# Altium PCB Tiny817_Xplained_Pro.PcbDoc (part 3 of 3)
Units mm, origin at the board's own origin, x right, y up, seen from the top; angles counter-clockwise.
Board outline 60 x 60 mm, 4 copper layers (Top Layer LF-signals, GND, POWER, Bottom Layer LF-signals), stack 1.604 mm thick; 172 components, 131 nets, 687 pads, 210 vias.
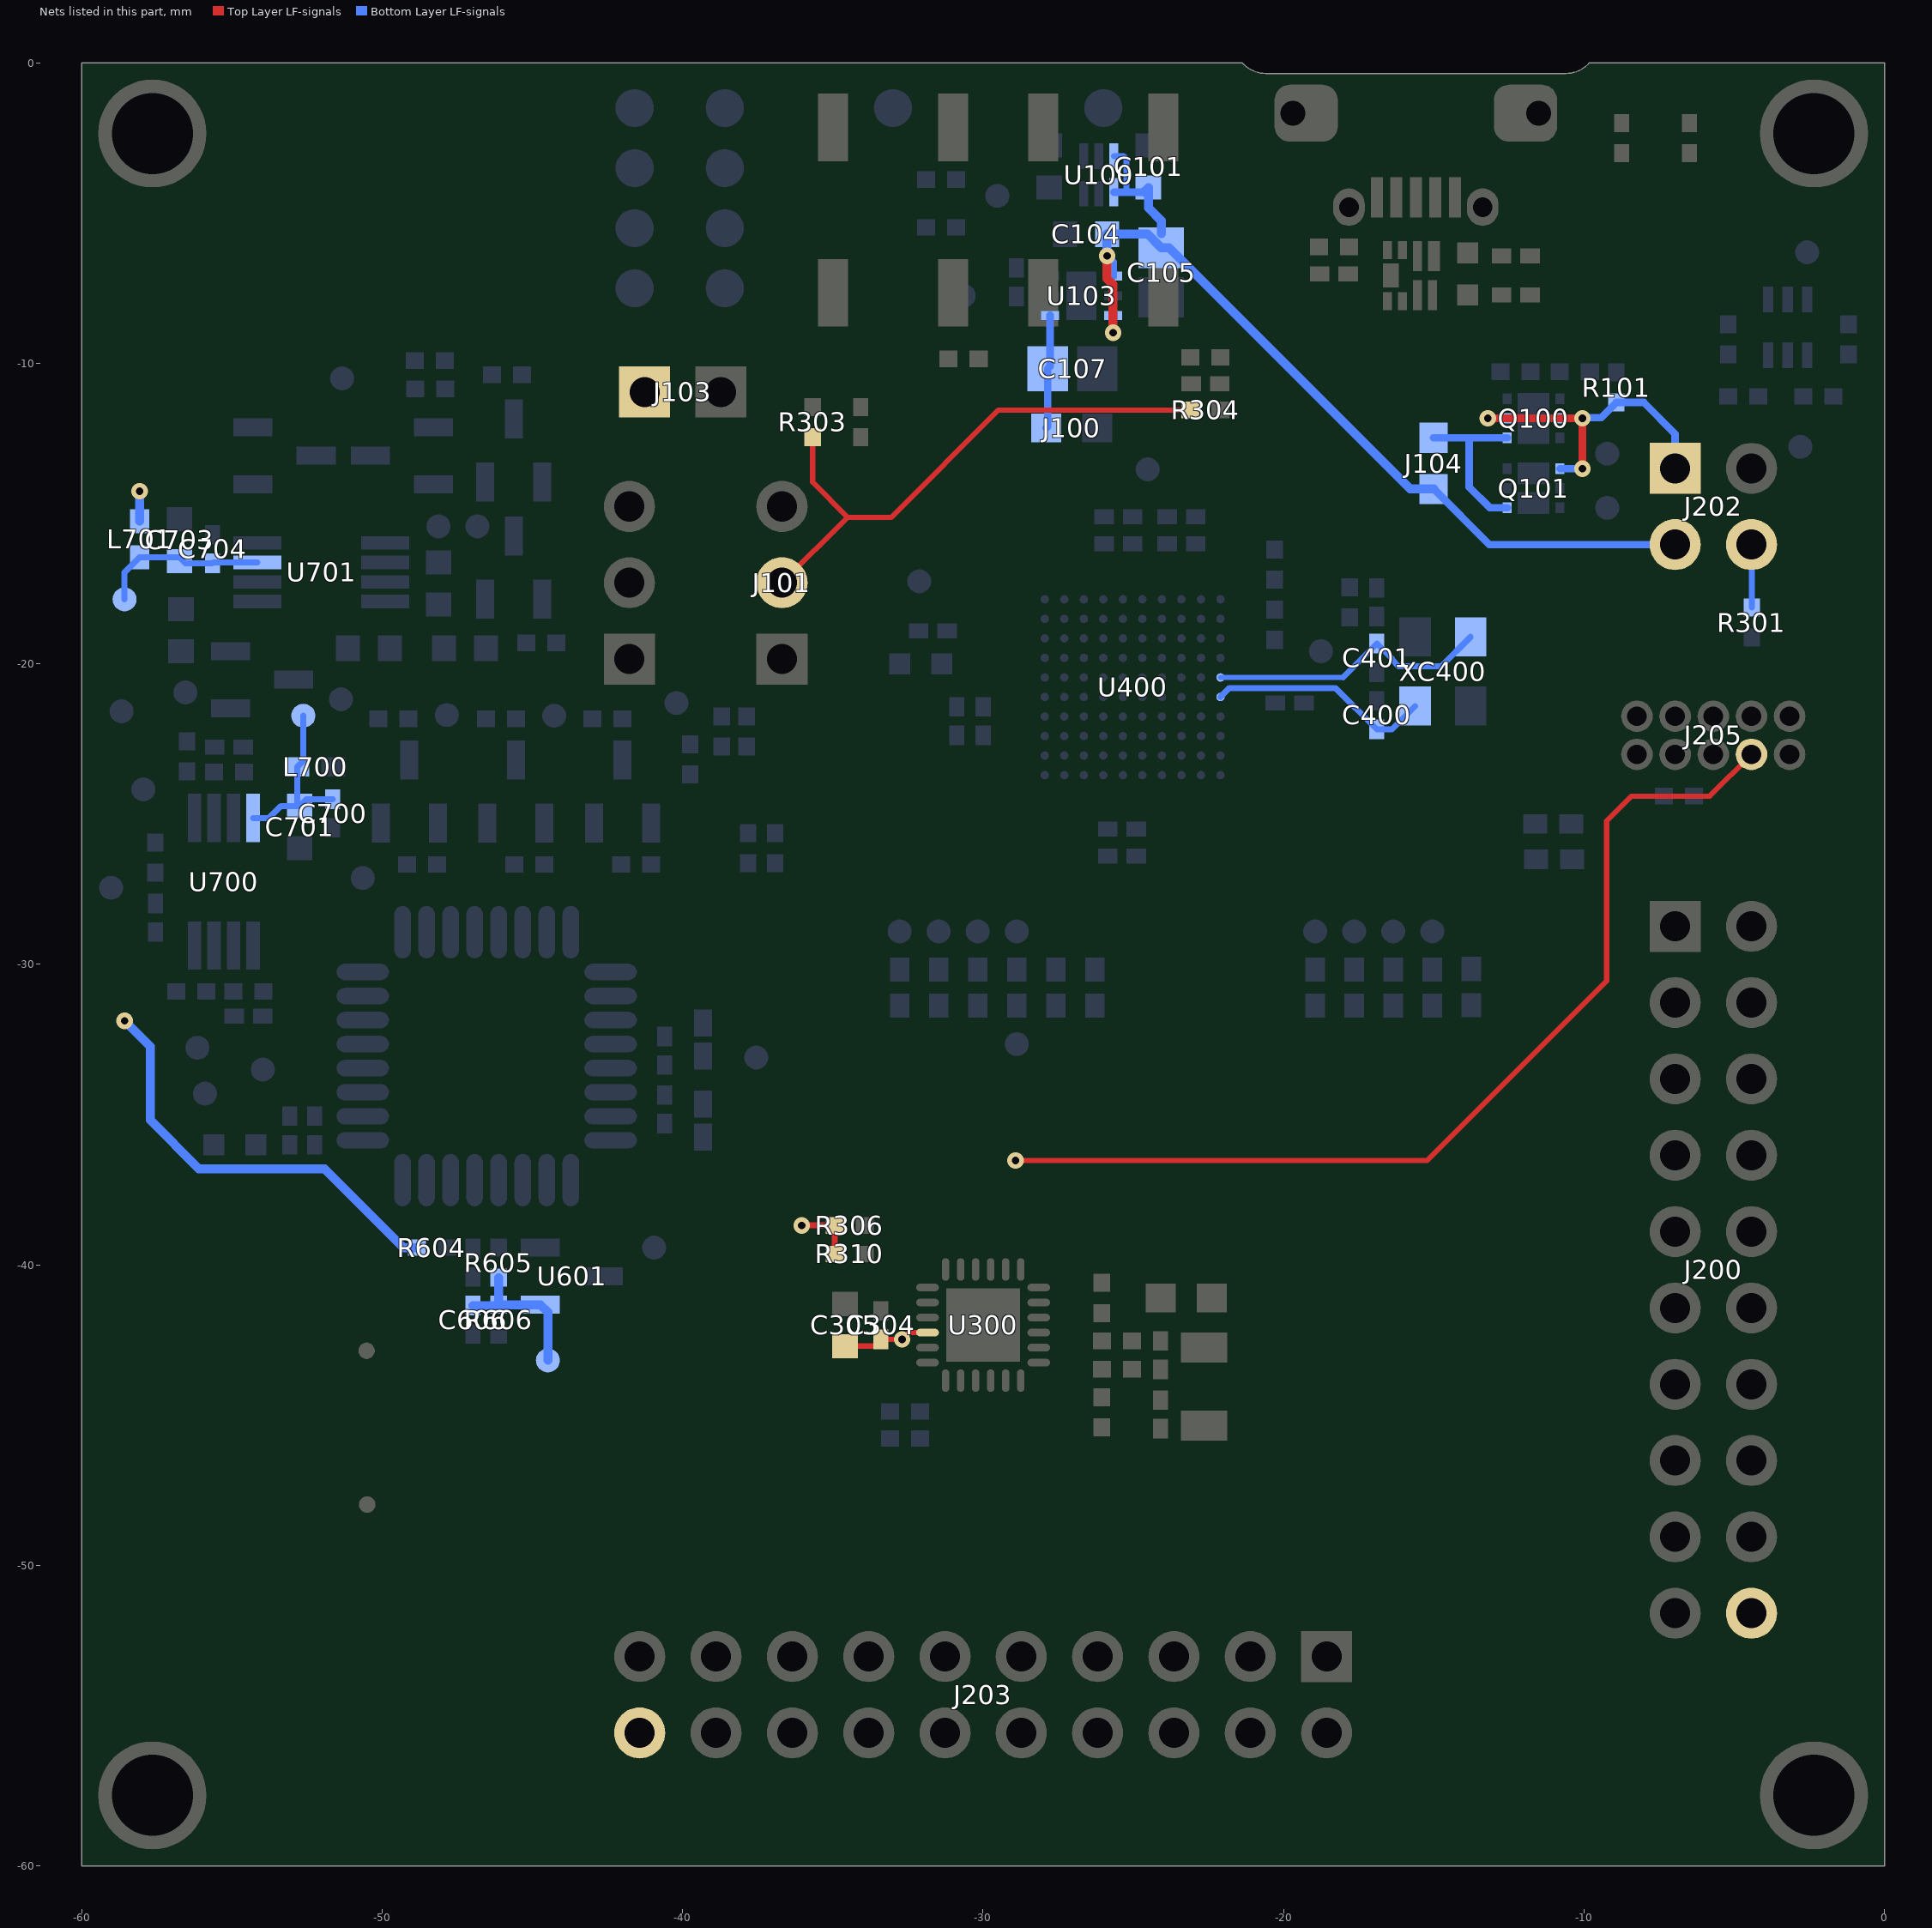
[diagram p5: the nets of this part, all layers, seen from the top]

## Via types
v1: diameter 0.55, hole 0.25, Top Layer LF-signals to Bottom Layer LF-signals, 127 vias
v2: diameter 0.55/0.8 (per signal layer), hole 0.25, Top Layer LF-signals to Bottom Layer LF-signals, tented top, 30 vias
v3: diameter 0.55, hole 0.25, Top Layer LF-signals to Bottom Layer LF-signals, tented both sides, 22 vias
v4: diameter 0.55, hole 0.25, Top Layer LF-signals to Bottom Layer LF-signals, tented top, 13 vias
v5: diameter 0.4, hole 0.2, Top Layer LF-signals to Bottom Layer LF-signals, tented both sides, 8 vias
v6: diameter 0.4, hole 0.2, Top Layer LF-signals to Bottom Layer LF-signals, tented top, 7 vias
v7: diameter 0.4, hole 0.2, Top Layer LF-signals to Bottom Layer LF-signals, 3 vias

## Nets (pads, with @x,y where several pads share a name; then routed paths per layer and width w, separated by ;. In a path a pad name is that pad's centre, name@x,y a point inside that pad or via, vN(x,y) a via of type N, cw(c..) or ccw(c..) an arc to the next point about the centre after c; other vN are vias at no path point) (continued)
VCC_EXT_P5V0: J202.1@-6.97,-13.49 Q100.2 Q100.5 Q101.1 R101.2 | length 12.5
  Top Layer LF-signals w0.25: v1(-13.207,-11.828) v1(-10.057,-11.828) v1(-10.057,-13.503)
  Bottom Layer LF-signals w0.25: v1(-13.207,-11.828) Q100.5@-12.556,-11.829 ; Q101.1@-10.806,-13.504 v1(-10.057,-13.503) ; Q100.2@-10.806,-11.829 v1(-10.057,-11.828) -10.032,-11.804 -9.429,-11.804 R101.2@-8.925,-11.3 -8.016,-11.3 -6.97,-12.346 J202.1@-6.97,-13.49 J202.1@-7.406,-13.054
VCC_FILTER_P3V3: C700.1 C701.1 L700.2 pad.3@-52.625,-21.725 U700.8 | length 5.9
  Bottom Layer LF-signals w0.2: U700.8@-54.3,-25.125 -53.775,-25.125 -53.376,-24.726 C701.1@-52.75,-24.725 -52.523,-24.5 C700.1@-51.65,-24.5 ; C701.1@-52.825,-24.651 L700.2@-52.825,-23.425 -52.625,-23.225 pad.3@-52.625,-21.725
VCC_MCU_P3V3: C304.2 C305.2 J103.1 J205.4 U300.4 | length 36.1
  Top Layer LF-signals w0.175: C305.2@-34.6,-42.7 -33.625,-42.7 C304.2@-33.4,-42.475 v1(-32.7,-42.475) -32.475,-42.25 U300.4@-31.86,-42.25 ; v1(-28.925,-36.525) -15.225,-36.525 -9.25,-30.55 -9.25,-25.225 -8.425,-24.4 -5.82,-24.4 J205.4@-4.43,-23.01
VCC_MUX_P5V0: J104.2 Q100.4 Q101.4 | length 5.6
  Bottom Layer LF-signals w0.25: J104.2@-15.007,-12.476 -13.828,-12.476 -13.825,-12.479 ; Q101.4@-12.556,-14.804 -13.136,-14.804 -13.825,-14.115 -13.825,-12.479 ; Q100.4@-12.556,-12.479 -13.825,-12.479
VCC_P3V3: C107.1 J100.2 U103.1 | length 3.8
  Bottom Layer LF-signals w0.25: J100.2@-27.9,-12.15 -27.85,-12.1 C107.1@-27.85,-10.175 -27.775,-10.1 U103.1@-27.775,-8.4
VCC_P5V0: C101.1 C104.1 C105.1 J104.1 J202.3@-6.97,-16.03 L701.1 R604.2 U100.1 U100.6 U103.4 U103.6 | length 47.6
  Top Layer LF-signals w0.3: v1(-25.876,-6.424) -25.876,-7.174 -25.675,-7.375 v1(-25.676,-8.975) v1(-25.676,-8.975)
  Bottom Layer LF-signals w0.2: U100.6@-25.65,-3.1 -25.325,-3.1 -25.225,-3.2 -25.225,-4.3
  Bottom Layer LF-signals w0.25: v1(-25.876,-6.424) -25.675,-6.625 U103.4@-25.675,-7.1 ; v1(-25.676,-8.975) U103.6@-25.675,-8.4 ; U100.1@-25.65,-4.3 -25.225,-4.3 C101.1@-24.651,-4.3 ; J104.1@-15.007,-14.176 -13.153,-16.03 J202.3@-6.97,-16.03
  Bottom Layer LF-signals w0.3: v1(-58.575,-31.875) -57.719,-32.731 -57.719,-35.181 -56.1,-36.8 -51.925,-36.8 -49.3,-39.425 R604.2@-48.85,-39.425 ; L701.1@-58.075,-15.25 v1(-58.075,-14.25) ; v1(-25.876,-6.424) C104.1@-25.875,-5.7 -24.525,-5.7 C105.1@-24.075,-6.15 -23.808,-6.15 -15.782,-14.176 J104.1@-15.007,-14.176 ; C101.1@-24.651,-4.3 C101.1@-24.5,-4.15 -24.5,-4.825 -24.075,-5.25 C105.1@-24.075,-5.675
VCC_PRE_AMP_P5V0: C703.1 C704.1 L701.2 pad.3@-58.575,-17.85 U701.7 | length 5.6
  Bottom Layer LF-signals w0.2: pad.3@-58.575,-17.85 -58.575,-16.95 L701.2@-58.075,-16.45 -58.073,-16.449 -56.75,-16.449 -56.548,-16.65 C704.1@-55.65,-16.65 -55.625,-16.625 U701.7@-54.15,-16.625
VCC_TARGET_P3V3: J101.2@-36.696,-17.3 J200.20@-4.43,-51.59 J202.4@-4.43,-16.03 J203.20@-41.43,-55.57 R301.2 R303.2 R304.2 R306.2 R310.2 | length 23.5
  Top Layer LF-signals w0.175: J101.2@-36.696,-17.3 -34.511,-15.115 ; R303.2@-35.508,-12.617 R303.2@-35.675,-12.45 -35.675,-13.95 -34.5,-15.125 -33.064,-15.125 -29.489,-11.55 R304.2@-23.1,-11.55
  Top Layer LF-signals w0.2: v1(-36.036,-38.686) R306.2@-34.942,-38.686 R310.2@-34.942,-39.636
  Bottom Layer LF-signals w0.2: R301.2@-4.419,-18.125 J202.4@-4.419,-16.041
VREF_FB: C606.1 pad.3@-44.485,-43.175 R605.1 R606.2 U601.1 | length 5.1
  Bottom Layer LF-signals w0.3: C606.1@-46.975,-41.35 R606.2@-46.15,-41.35 ; R605.1@-46.125,-40.425 R606.2@-46.125,-41.325 U601.1@-44.735,-41.325 -44.485,-41.575 pad.3@-44.485,-43.175
XIN0: C400.1 U400.A5 XC400.1 | length 7.5
  Bottom Layer LF-signals w0.2: U400.A5@-22.1,-21.1 -21.8,-20.8 -18.275,-20.8 C400.1@-16.9,-22.175 -16.4,-22.175 XC400.1@-15.625,-21.4
XOUT0: C401.1 U400.A6 XC400.3 | length 9.5
  Bottom Layer LF-signals w0.175: U400.A6@-22.1,-20.45 -18.025,-20.45
  Bottom Layer LF-signals w0.2: -18.025,-20.45 C401.1@-16.9,-19.325 -16.4,-19.825 -16.4,-19.854 -16.179,-20.075 -14.75,-20.075 XC400.3@-13.775,-19.1
pads on no net: J101.1@-36.696,-19.84 J101.2@-36.696,-17.3 J101.3@-36.696,-14.76 J102.1@-41.776,-19.84 J102.2@-41.776,-17.3 J102.3@-41.776,-14.76 J200.1@-6.97,-28.73 J200.2@-4.43,-28.73 J200.3@-6.97,-31.27 J200.4@-4.43,-31.27 J200.5@-6.97,-33.81 J200.6@-4.43,-33.81 J200.7@-6.97,-36.35 J200.8@-4.43,-36.35 J200.9@-6.97,-38.89 J200.10@-4.43,-38.89 J200.11@-6.97,-41.43 J200.12@-4.43,-41.43 J200.13@-6.97,-43.97 J200.14@-4.43,-43.97 J200.15@-6.97,-46.51 J200.16@-4.43,-46.51 J200.17@-6.97,-49.05 J200.18@-4.43,-49.05 J200.19@-6.97,-51.59 J200.20@-4.43,-51.59 J202.1@-6.97,-13.49 J202.2@-4.43,-13.49 J202.3@-6.97,-16.03 J202.4@-4.43,-16.03 J203.1@-18.57,-53.03 J203.2@-18.57,-55.57 J203.3@-21.11,-53.03 J203.4@-21.11,-55.57 J203.5@-23.65,-53.03 J203.6@-23.65,-55.57 J203.7@-26.19,-53.03 J203.8@-26.19,-55.57 J203.9@-28.73,-53.03 J203.10@-28.73,-55.57 J203.11@-31.27,-53.03 J203.12@-31.27,-55.57 J203.13@-33.81,-53.03 J203.14@-33.81,-55.57 J203.15@-36.35,-53.03 J203.16@-36.35,-55.57 J203.17@-38.89,-53.03 J203.18@-38.89,-55.57 J203.19@-41.43,-53.03 J203.20@-41.43,-55.57 J205.1 J205.5 J205.7 J205.8 J205.9 J205.10 J400.4 J400.6@-12,-1.675 J400.7@-19.2,-1.675 J400.8@-13.375,-4.8 J400.9@-17.825,-4.8 U400.A2 U400.A4 U400.A7 U400.B2 U400.B7 U400.C5 U400.C6 U400.C9 U400.C10 U400.D2 U400.D3 U400.D4 U400.D5 U400.D6 U400.D7 U400.E1 U400.E4 U400.E7 U400.E8 U400.G1 U400.G2 U400.G3 U400.G4 U400.G6 U400.G8 U400.G9 U400.G10 U400.H1 U400.H2 U400.H4 U400.H5 U400.H6 U400.H10 U400.J1 U400.J2 U400.J10 U400.K1 U400.K5 U400.K6 U600.3 U600.7 U600.8 U600.20 U600.25 U600.27 XC400.2 XC400.4

## Polygon pours and split planes (outlines as drawn)
no net on Top Overlay "MountingHole_Index" (solid): -4.5,-0.3 -0.3,-0.3 -0.3,-4.5 -4.5,-4.5
GND on Top Layer LF-signals "Top_GND_fill" (solid, remove dead copper, pour order 17): -59.7,-0.3 -0.3,-0.3 -0.3,-59.7 -59.7,-59.7
SHIELD on Top Layer LF-signals "Top Layer LF-signals-No Net" (solid, remove dead copper, pour order 14): -10.85,-0.35 -20.35,-0.35 -20.35,-5.475 -10.85,-5.475
GND on Bottom Layer LF-signals "GND_HATCHED" (hatched 45Degree grid 1.6 track 0.3, remove dead copper, pour order 19): -49,-34.35 -60,-34.35 -60,-56.475 -49,-56.475
GND on Bottom Layer LF-signals "Bottom_GND_Fill" (solid, remove dead copper, pour order 13): -59.7,-0.3 -0.3,-0.3 -0.3,-59.7 -59.7,-59.7 -59.7,-56.475 -49,-56.475 -49,-34.35 -59.7,-34.35
GND on Bottom Layer LF-signals "Top Layer LF-signals-No Net" (solid, remove dead copper, pour order 16): -22.9,-2.275 -29.825,-2.275 -29.825,-11.125 -22.875,-11.125
NetCS301_1 on GND (split plane): -50.019,-35.356 -50.019,-43.356 -58.02,-43.356 -58.02,-35.355
NetCS300_1 on GND (split plane): -50,-47.475 -50,-55.475 -58,-55.475 -58,-47.474
GND on GND (split plane): -0.252,-59.748 -59.748,-59.748 -59.748,-0.252 -21.48,-0.252 -21.403,-0.321 -21.285,-0.405 -21.158,-0.474 -21.025,-0.53 -20.886,-0.57 -20.744,-0.594 -20.601,-0.602 -20.6,-0.602 -10.6,-0.602 -10.599,-0.602 -10.456,-0.594 -10.314,-0.57 -10.175,-0.53 -10.042,-0.474 -9.915,-0.405 -9.797,-0.321 -9.72,-0.252 -0.252,-0.252
VCC_EDBG_P3V3 on POWER (split plane): -0.252,-14.323 -5.9,-14.323 -5.946,-14.33 -5.988,-14.347 -6.025,-14.375 -6.053,-14.412 -6.07,-14.454 -6.077,-14.5 -6.077,-26.602 -6.798,-27.323 -27.252,-27.323 -33.498,-21.077 -33.498,-12.025 -33.504,-11.98 -33.522,-11.937 -33.55,-11.901 -36.05,-9.4 -36.087,-9.372 -36.129,-9.355 -36.175,-9.348 -39.587,-9.348 -39.587,-7.85 -36.689,-4.952 -31.189,-4.952 -31.143,-4.945 -31.101,-4.928 -31.064,-4.9 -30.42,-4.256 -30.392,-4.219 -30.374,-4.177 -30.368,-4.131 -30.368,-3.302 -26.9,-3.302 -26.652,-3.55 -26.652,-9.3 -26.645,-9.346 -26.628,-9.389 -26.6,-9.425 -26.225,-9.8 -26.189,-9.828 -26.146,-9.845 -26.1,-9.852 -25.15,-9.852 -25.104,-9.845 -25.062,-9.828 -25.025,-9.8 -24.65,-9.425 -24.622,-9.388 -24.605,-9.346 -24.598,-9.3 -24.598,-6.425 -24.598,-0.252 -21.48,-0.252 -21.403,-0.321 -21.285,-0.405 -21.158,-0.474 -21.025,-0.53 -20.886,-0.57 -20.744,-0.594 -20.601,-0.602 -20.6,-0.602 -10.6,-0.602 -10.599,-0.602 -10.456,-0.594 -10.314,-0.57 -10.175,-0.53 -10.042,-0.474 -9.915,-0.405 -9.797,-0.321 -9.72,-0.252 -0.252,-0.252
VCC_CM_P3V3 on POWER (split plane): -30.721,-4.058 -31.262,-4.598 -36.762,-4.598 -36.808,-4.605 -36.85,-4.622 -36.887,-4.65 -39.889,-7.652 -39.917,-7.689 -39.934,-7.731 -39.94,-7.777 -39.94,-9.348 -42.4,-9.348 -42.446,-9.355 -42.488,-9.372 -42.525,-9.4 -43.55,-10.425 -43.578,-10.462 -43.595,-10.504 -43.602,-10.55 -43.602,-21.1 -43.595,-21.146 -43.578,-21.188 -43.55,-21.225 -37.237,-27.538 -37.237,-35.722 -49.02,-35.722 -49.02,-34.356 -57.048,-34.356 -57.048,-9.823 -50.527,-3.302 -30.721,-3.302
VCC_MCU_P3V3 on POWER (split plane): -39.902,-9.71 -39.902,-19.672 -39.895,-19.717 -39.878,-19.76 -39.85,-19.797 -34.572,-25.075 -27.251,-32.395 -27.251,-42.502 -28.873,-44.123 -32.427,-44.123 -34.848,-41.702 -34.848,-37.934 -34.855,-37.888 -34.872,-37.845 -34.9,-37.809 -36.884,-35.825 -36.884,-27.465 -36.89,-27.419 -36.907,-27.376 -36.935,-27.34 -43.248,-21.027 -43.248,-10.623 -42.327,-9.702 -39.908,-9.702
VCC_P5V0 on POWER (split plane): -24.952,-6.425 -24.952,-9.227 -25.223,-9.498 -26.027,-9.498 -26.298,-9.227 -26.298,-3.477 -26.305,-3.431 -26.322,-3.388 -26.35,-3.352 -26.702,-3 -26.738,-2.972 -26.781,-2.955 -26.827,-2.948 -50.6,-2.948 -50.646,-2.955 -50.688,-2.972 -50.725,-3 -57.35,-9.625 -57.378,-9.662 -57.395,-9.704 -57.402,-9.75 -57.402,-32.773 -59.748,-32.773 -59.748,-0.252 -24.952,-0.252
VCC_TARGET_P3V3 on POWER (split plane): -33.851,-12.098 -33.851,-21.15 -33.845,-21.196 -33.827,-21.239 -33.799,-21.275 -27.45,-27.625 -27.413,-27.653 -27.371,-27.67 -27.325,-27.677 -6.725,-27.677 -6.679,-27.67 -6.637,-27.653 -6.6,-27.625 -5.775,-26.8 -5.747,-26.763 -5.73,-26.721 -5.723,-26.675 -5.723,-14.677 -0.252,-14.677 -0.252,-59.748 -59.748,-59.748 -59.748,-33.127 -57.402,-33.127 -57.402,-34.356 -59.02,-34.356 -59.02,-44.356 -49.02,-44.356 -49.02,-36.075 -37.133,-36.075 -35.202,-38.007 -35.202,-41.775 -35.195,-41.821 -35.178,-41.863 -35.15,-41.9 -32.625,-44.425 -32.588,-44.453 -32.546,-44.47 -32.5,-44.477 -28.8,-44.477 -28.754,-44.47 -28.712,-44.453 -28.675,-44.425 -26.95,-42.7 -26.922,-42.663 -26.904,-42.621 -26.898,-42.575 -26.898,-32.322 -26.904,-32.276 -26.922,-32.234 -26.95,-32.197 -34.322,-24.825 -39.548,-19.599 -39.548,-9.702 -36.248,-9.702

## Keep-outs
Keep-Out Layer:
  lines w0.1: -11.23,-0.436 ccw(c-10.6,0.386) -9.824,-0.3 -0.3,-0.3 -0.3,-59.7 -59.7,-59.7 -59.7,-0.3 -21.375,-0.3 ccw(c-20.599,0.386) -19.964,-0.432 -11.23,-0.432

## Other copper
Top Layer LF-signals:
  pour cut-out: -21.72,-41.937 -21.72,-40.262 -24.77,-40.262 -24.77,-41.937
  pour cut-out: -49.77,-35.106 -49.77,-43.606 -58.27,-43.606 -58.27,-35.106
  pour cut-out: -49.75,-47.225 -49.75,-55.725 -58.25,-55.725 -58.25,-47.225
Bottom Layer LF-signals:
  pour cut-out: -14.169,-11.8 -15.844,-11.8 -15.844,-14.85 -14.169,-14.85
  pour cut-out: -25.525,-12.8 -25.525,-11.5 -26.7,-11.5 -26.7,-11.125 -27.4,-11.125 -27.4,-11.5 -28.575,-11.5 -28.575,-12.8 -27.4,-12.8 -27.4,-13.25 -26.7,-13.25 -26.7,-12.8
POWER (plane layer: these items are gaps in the copper):
  region: -59.02,-34.356 -59.02,-44.356 -49.02,-44.356 -49.02,-34.356
  region: -59,-46.475 -59,-56.475 -49,-56.475 -49,-46.475
  lines w0.35: -60,-32.95 -57.225,-32.95 ; -54.975,-7.5 -57.225,-9.75 ; -40.5,-9.525 -36.175,-9.525 -33.675,-12.025 -33.675,-21.15 -27.325,-27.5 -6.725,-27.5 -5.9,-26.675 -5.9,-14.5 0,-14.5 ; -39.764,-9.601 -39.764,-7.777 -36.762,-4.775 -31.189,-4.775 -30.545,-4.131 -30.545,-3.125 ; -24.725,0 -24.775,-0.05 -24.775,-6.425 -24.775,-9.3 -25.15,-9.675 -26.1,-9.675 -26.475,-9.3 -26.475,-3.477 -26.827,-3.125 -50.6,-3.125 -57.225,-9.75 ; -57.225,-9.75 -57.225,-35.898 -37.06,-35.898 ; -37.06,-35.898 -35.025,-37.934 -35.025,-41.775 -32.5,-44.3 -28.8,-44.3 -27.075,-42.575 -27.075,-32.322 -34.447,-24.95 -39.725,-19.672 -39.725,-9.525 -42.4,-9.525 -43.425,-10.55 -43.425,-21.1 -37.06,-27.465 -37.06,-35.898

## Silkscreen, mask and mechanical layers (free items; w line width, h text height)
Top Overlay:
  circle w0.1: c-54.071,-39.407 r1.601
  circle w0.1: c-54.051,-51.525 r1.601
  pour cut-out: -4.26,-2.35 ccw(c-2.35,-2.35) -2.35,-4.26 ccw(c-2.345,-2.345) -0.43,-2.35 ccw(c-2.345,-2.355) -2.35,-0.44 ccw(c-2.35,-2.35)
  lines w0.1: -55.67,-39.856 ccw(c-54.07,-39.856) -52.47,-39.856 ; -55.67,-39.782 ccw(c-54.07,-39.782) -52.47,-39.782 ; -55.67,-39.707 ccw(c-54.07,-39.707) -52.47,-39.707 ; -55.67,-39.632 ccw(c-54.07,-39.632) -52.47,-39.632 ; -55.67,-39.557 ccw(c-54.07,-39.557) -52.47,-39.557 ; -55.67,-39.482 ccw(c-54.07,-39.482) -52.47,-39.482 ; -55.65,-51.975 ccw(c-54.05,-51.975) -52.45,-51.975 ; -55.65,-51.9 ccw(c-54.05,-51.9) -52.45,-51.9 ; -55.65,-51.825 ccw(c-54.05,-51.825) -52.45,-51.825 ; -55.65,-51.75 ccw(c-54.05,-51.75) -52.45,-51.75 ; -55.65,-51.676 ccw(c-54.05,-51.676) -52.45,-51.676 ; -55.65,-51.601 ccw(c-54.05,-51.601) -52.45,-51.601 ; -58.02,-43.356 -58.02,-35.356 -50.02,-35.356 -50.02,-43.356 -58.02,-43.356 ; -58,-55.475 -58,-47.475 -50,-47.475 -50,-55.475 -58,-55.475
  lines w0.2: -46.955,-18.68 -45.275,-18.68 ; -46.955,-15.86 -45.275,-15.86 ; -43.95,-19.81 -45.275,-19.81 -45.275,-17.55 -43.95,-17.55 ; -43.95,-16.99 -45.275,-16.99 -45.275,-14.73 -43.95,-14.73 ; -34.675,-19.785 -33.35,-19.785 -33.35,-17.525 -34.675,-17.525 ; -34.675,-16.965 -33.35,-16.965 -33.35,-14.705 -34.675,-14.705 ; -33.35,-18.605 -31.67,-18.605 ; -33.35,-15.835 -31.67,-15.835
  text "VCC_MCU" at -40.925,-5.246 h1 r90
  text "a" at -54.575,-5.375 h5
  text "GND" at -59.025,-5.4 h1.52
  text "GND" at -3.75,-5.75 h1.52
  text "VCC_TARGET" at -38.3,-6.875 h1 r90
  text "DEBUG USB" at -20.775,-8.6 h1.5 r90
  text "POWER" at -8.25,-9.103 h1.5 r90
  text "STATUS" at -6,-9.5 h1.5 r90
  text "SW0" at -36.2,-10.5 h1.5
  text "SW1/RST" at -29.451,-10.5 h1.5
  text "PWR" at -7.525,-12.025 h1.5
  text "LED0" at -33.425,-12.45 h1.5
  text "5.0V_IN" at -18.725,-13.85 h1.5
  text "GND" at -12.717,-13.879 h1.5
  text "1" at -9.063,-13.913 h1.5
  text "MEASURE" at -31.15,-16.2 h1.5
  text "MEASURE" at -54.024,-16.323 h1.5
  text "5.0V" at -16.684,-16.42 h1.5
  text "VCC" at -12.717,-16.42 h1.5
  text "3" at -9.063,-16.453 h1.5
  text "ATTINY817" at -9.31,-18.9 h1.5
  text "BYPASS" at -31.075,-19.025 h1.5
  text "BYPASS" at -52.755,-19.144 h1.5
  text "UPDI DEBUG" at -9.875,-20.1 h1.5
  text "I/O" at -36.5,-23.25 h1.5 r90
  text "MCU" at -41.625,-24.4 h1.5 r90
  text "CURRENT" at -42.717,-26.225 h1.5
  text "EXT1" at -3.45,-26.85 h1.5
  text "2" at -4.725,-27.1 h1.5
  text "1" at -7.25,-27.125 h1.5
  text "MEASUREMENT" at -44.599,-27.425 h1.5
  text "ID" at -14.903,-29.266 h1.5
  text "GND" at -11.436,-29.266 h1.5
  text "b" at -36.095,-31.175 h8
  text "PA6" at -14.903,-31.807 h1.5
  text "PA7" at -11.436,-31.807 h1.5
  text "PB7" at -14.903,-34.353 h1.5
  text "PB4" at -11.436,-34.353 h1.5
  text "QT BTN 1" at -56.695,-34.931 h1.5
  text "ATTINY817" at -43.525,-35.273 h2
  text "X" at -32.125,-35.275 h4
  text "PLAINED" at -28.7,-35.275 h2
  text "PRO" at -19.775,-35.275 h1
  text "PB0" at -14.903,-36.894 h1.5
  text "PB1" at -11.436,-36.894 h1.5
  text "ATTINY817" at -32.998,-38.55 h1.5
  text "PA5" at -14.903,-39.425 h1.5
  text "PA4" at -11.436,-39.425 h1.5
  text "PA1" at -14.903,-41.966 h1.5
  text "PA2" at -11.436,-41.966 h1.5
  text "PB3" at -14.903,-44.506 h1.5
  text "PB2" at -11.436,-44.506 h1.5
  text "32kHz / CRYSTAL" at -19,-45.9 h1.5 r90
  text "QT BTN 2" at -56.675,-47.05 h1.5
  text "PC3" at -14.903,-47.046 h1.5
  text "PC2" at -11.436,-47.046 h1.5
  text "GND" at -40.976,-48.747 h1.5 r90
  text "PC1" at -38.436,-48.747 h1.5 r90
  text "PA3" at -35.896,-48.747 h1.5 r90
  text "PB3" at -33.356,-48.747 h1.5 r90
  text "PA1" at -30.816,-48.747 h1.5 r90
  text "PB6" at -28.275,-48.747 h1.5 r90
  text "NC" at -25.744,-48.747 h1.5 r90
  text "PC5" at -23.203,-48.747 h1.5 r90
  text "NC" at -20.657,-48.747 h1.5 r90
  text "ID" at -18.116,-48.747 h1.5 r90
  text "PC1" at -14.903,-49.586 h1.5
  text "PC0" at -11.436,-49.586 h1.5
  text "VCC" at -40.976,-51.914 h1.5 r90
  text "PC0" at -38.436,-51.914 h1.5 r90
  text "PC2" at -35.896,-51.914 h1.5 r90
  text "PB2" at -33.356,-51.914 h1.5 r90
  text "PA2" at -30.816,-51.914 h1.5 r90
  text "PB5" at -28.275,-51.914 h1.5 r90
  text "NC" at -25.744,-51.914 h1.5 r90
  text "NC" at -23.203,-51.914 h1.5 r90
  text "NC" at -20.657,-51.914 h1.5 r90
  text "GND" at -18.116,-51.914 h1.5 r90
  text "GND" at -14.903,-52.126 h1.5
  text "VCC" at -11.436,-52.126 h1.5
  text "19" at -44.25,-53.575 h1.5
  text "1" at -16.8,-53.575 h1.5
  text "19" at -7.725,-53.925 h1.5
  text "20" at -5.2,-53.925 h1.5
  text "GND" at -3.8,-55.6 h1.52
  text "2" at -16.65,-55.975 h1.5
  text "20" at -44.25,-56.05 h1.5
  text "EXT3" at -16.65,-58.95 h1.5
  text "GND" at -54.675,-59.075 h1.52 r90
Bottom Overlay:
  lines w0.15: -25.18,-31.075 -25.505,-30.75 ; -25.18,-30.425 -25.505,-30.75 ; -22.755,-28.575 -22.755,-29.08 -24.425,-30.75 -25.505,-30.75 ; -22.475,-28.575 -22.475,-29.075 -20.8,-30.75 -19.725,-30.75 ; -20.05,-31.075 -19.725,-30.75 ; -20.05,-30.425 -19.725,-30.75
  text "GND" at -42.599,-1.9 h1.5
  text "BOOT" at -34.05,-1.9 h1.5
  text "TCK" at -42.6,-4 h1.5
  text "RST" at -34.827,-4 h1.5
  text "TDI" at -42.6,-6 h1.5
  text "TDO" at -34.6,-6 h1.5
  text "TMS" at -42.6,-8 h1.5
  text "VCC" at -34.621,-8 h1.5
  text "5V_IN" at -8.125,-11.975 h0.67 r270
  text "GND" at -0.875,-14.125 h0.67
  text "5.0V" at -8.775,-16.325 h0.67
  text "3.3V" at -0.9,-16.35 h0.67
  text "EDBG DISCONNECT" at -19.35,-28.3 h0.67
  text "ID" at -8.142,-29.035 h0.67
  text "GND" at -0.795,-29.035 h0.67
  text "PA6" at -8.142,-31.574 h0.67
  text "PA7" at -0.795,-31.574 h0.67
  text "PB7" at -8.142,-34.113 h0.67
  text "PB4" at -0.795,-34.113 h0.67
  text "PB0" at -8.142,-36.652 h0.67
  text "PB1" at -0.795,-36.652 h0.67
  text "t" at -20.557,-37.302 h5
  text "p" at -26.232,-38.277 h5
  text "c" at -13.232,-38.327 h5
  text "PA5" at -8.142,-39.192 h0.67
  text "PA4" at -0.795,-39.192 h0.67
  text "PA1" at -8.142,-41.734 h0.67
  text "PA2" at -0.795,-41.731 h0.67
  text "Atmel Corp © 2016" at -13.25,-41.925 h2
  text "PB3" at -8.142,-44.273 h0.67
  text "PB2" at -0.795,-44.27 h0.67
  text "QTBTN / DISCONNECT" at -34.1,-46.275 h0.67
  text "PC3" at -8.142,-46.812 h0.67
  text "PC2" at -0.795,-46.809 h0.67
  text "A08-2506 Rev 3" at -14.571,-47.343 h2
  text "PC1" at -8.142,-49.352 h0.67
  text "PC0" at -0.795,-49.349 h0.67
  text "GND" at -8.142,-51.767 h0.67
  text "GND" at -41.653,-51.853 h0.67 r270
  text "PC1" at -39.114,-51.853 h0.67 r270
  text "PA3" at -36.574,-51.853 h0.67 r270
  text "PB3" at -34.035,-51.853 h0.67 r270
  text "PA1" at -31.496,-51.853 h0.67 r270
  text "PB6" at -28.957,-51.853 h0.67 r270
  text "NC" at -26.417,-51.853 h0.67 r270
  text "PC5" at -23.878,-51.853 h0.67 r270
  text "NC" at -21.339,-51.853 h0.67 r270
  text "ID" at -18.8,-51.853 h0.67 r270
  text "VCC" at -0.795,-51.888 h0.67
  text "VCC" at -41.653,-59.295 h0.67 r270
  text "PC0" at -39.114,-59.295 h0.67 r270
  text "PC2" at -36.574,-59.295 h0.67 r270
  text "PB2" at -34.035,-59.295 h0.67 r270
  text "PA2" at -31.496,-59.295 h0.67 r270
  text "PB5" at -28.957,-59.295 h0.67 r270
  text "NC" at -26.417,-59.295 h0.67 r270
  text "NC" at -23.878,-59.295 h0.67 r270
  text "NC" at -21.339,-59.295 h0.67 r270
  text "GND" at -18.8,-59.295 h0.67 r270
Board (M1):
  lines w0.1: -19.1,-0.353 -12.082,-0.353 ; -60,-60 0,-60 0,0 -9.825,0 cw(c-10.6,0.686) -10.6,-0.35 -20.6,-0.35 cw(c-20.6,0.686) -21.375,-0.001 -60,0 -60,-60
Conn. Pos (M4):
  circle w0.2: c-57.65,-2.35 r1.35
  circle w0.2: c-2.35,-2.35 r1.35
  circle w0.254: c-4.43,-16.03 r0.5
  circle w0.254: c-6.97,-16.03 r0.5
  circle w0.254: c-6.97,-13.49 r0.5
  circle w0.254: c-4.43,-13.49 r0.5
  circle w0.254: c-6.97,-51.59 r0.5
  circle w0.254: c-4.43,-51.59 r0.5
  circle w0.254: c-4.43,-49.05 r0.5
  circle w0.254: c-6.97,-49.05 r0.5
  circle w0.254: c-6.97,-46.51 r0.5
  circle w0.254: c-4.43,-46.51 r0.5
  circle w0.254: c-4.43,-43.97 r0.5
  circle w0.254: c-6.97,-43.97 r0.5
  circle w0.254: c-4.43,-41.43 r0.5
  circle w0.254: c-6.97,-41.43 r0.5
  circle w0.254: c-6.97,-38.89 r0.5
  circle w0.254: c-4.43,-38.89 r0.5
  circle w0.254: c-4.43,-36.35 r0.5
  circle w0.254: c-6.97,-36.35 r0.5
  circle w0.254: c-4.43,-33.81 r0.5
  circle w0.254: c-6.97,-33.81 r0.5
  circle w0.254: c-4.43,-31.27 r0.5
  circle w0.254: c-6.97,-31.27 r0.5
  circle w0.254: c-4.43,-28.73 r0.5
  circle w0.254: c-6.97,-28.73 r0.5
  circle w0.2: c-2.35,-57.65 r1.35
  circle w0.2: c-57.65,-57.65 r1.35
  circle w0.254: c-41.43,-53.03 r0.5
  circle w0.254: c-41.43,-55.57 r0.5
  circle w0.254: c-38.89,-55.57 r0.5
  circle w0.254: c-38.89,-53.03 r0.5
  circle w0.254: c-36.35,-53.03 r0.5
  circle w0.254: c-36.35,-55.57 r0.5
  circle w0.254: c-33.81,-55.57 r0.5
  circle w0.254: c-33.81,-53.03 r0.5
  circle w0.254: c-31.27,-55.57 r0.5
  circle w0.254: c-31.27,-53.03 r0.5
  circle w0.254: c-28.73,-53.03 r0.5
  circle w0.254: c-28.73,-55.57 r0.5
  circle w0.254: c-26.19,-55.57 r0.5
  circle w0.254: c-26.19,-53.03 r0.5
  circle w0.254: c-23.65,-55.57 r0.5
  circle w0.254: c-23.65,-53.03 r0.5
  circle w0.254: c-21.11,-55.57 r0.5
  circle w0.254: c-21.11,-53.03 r0.5
  circle w0.254: c-18.57,-55.57 r0.5
  circle w0.254: c-18.57,-53.03 r0.5
  rectangle: -17.116,-5.15 -16.691,-3.8
  rectangle: -16.466,-5.15 -16.041,-3.8
  rectangle: -15.816,-5.15 -15.391,-3.8
  rectangle: -15.166,-5.15 -14.741,-3.8
  rectangle: -14.516,-5.15 -14.091,-3.8
  rectangle: -20.291,-2.625 -18.191,-0.725
  rectangle: -17.641,-2.625 -15.866,-0.725
  region: -13.559,-0.725 -15.334,-0.725 -15.334,-2.625 -13.559,-2.625
  region: -10.891,-0.725 -12.991,-0.725 -12.991,-2.625 -10.891,-2.625
  lines w0.1: -30.5,-54.3 -29.5,-54.3 ; -30,-54.792 -30,-53.792 ; -6.208,-40.16 -5.208,-40.16 ; -6.208,-14.76 -5.208,-14.76 ; -5.708,-15.26 -5.708,-14.26 ; -5.7,-40.66 -5.7,-39.66
  text "Connector Placement" at -54.966,6.25 h5
  text "DEBUG USB" at -19.95,-7.575 h1
  text "1" at -7.137,-12.05 h1
  text "2" at -4.763,-12.05 h1
  text "Power Header" at -22.594,-15.26 h1
  text "1" at -7.137,-27.29 h1
  text "2" at -4.763,-27.29 h1
  text "Extension Header 1" at -28.092,-40.66 h1
  text "Extension Header 3" at -38.664,-51.138 h1
  text "1" at -15.78,-53.197 h1 r90
  text "2" at -15.78,-55.903 h1 r90
TP Pos. (M5):
  circle w0.5: c-26,-1.5 r0.25
  circle w0.5: c-33,-1.5 r0.25
  circle w0.5: c-38.6,-7.5 r0.25
  circle w0.5: c-38.6,-5.5 r0.25
  circle w0.5: c-38.6,-3.5 r0.25
  circle w0.5: c-38.6,-1.5 r0.25
  circle w0.5: c-41.6,-7.5 r0.25
  circle w0.5: c-41.6,-5.5 r0.25
  circle w0.5: c-41.6,-3.5 r0.25
  circle w0.5: c-41.6,-1.5 r0.25
  circle w0.2: c-2.35,-2.35 r1.35
  circle w0.2: c-57.65,-2.35 r1.35
  lines w0.3: -48.15,-22.225 -41.65,-22.225 -41.65,-8.425 ; -48.15,-20.075 -43.6,-20.075 -43.6,-5.525 ; -48.15,-17.8 -44.625,-17.8 -44.625,-3.475 -42.325,-3.475 ; -48.15,-15.725 -45.525,-15.725 -45.525,-1.5 -42.325,-1.5 ; -43.054,-6.2 -42.354,-5.5 -43.054,-4.8 ; -43.025,-4.175 -42.325,-3.475 ; -43.025,-2.775 -42.325,-3.475 ; -43.025,-2.2 -42.325,-1.5 ; -43.025,-0.8 -42.325,-1.5 ; -42.35,-9.125 -41.65,-8.425 ; -42.3,-9.225 -41.6,-8.525 -40.9,-9.225 ; -40.95,-9.125 -41.65,-8.425 ; -39.3,-9.225 -38.6,-8.525 -37.9,-9.225 ; -39.25,-9.125 -38.55,-8.425 ; -37.85,-9.125 -38.55,-8.425 ; -37.175,-6.125 -37.875,-5.425 ; -37.175,-4.725 -37.875,-5.425 ; -37.175,-4.175 -37.875,-3.475 ; -37.175,-2.775 -37.875,-3.475 ; -37.175,-2.2 -37.875,-1.5 ; -37.175,-0.8 -37.875,-1.5 ; -33.675,-3.25 -32.975,-2.55 ; -32.975,-7.125 -32.975,-2.55 ; -32.275,-3.25 -32.975,-2.55 ; -32.05,-22.225 -38.55,-22.225 -38.55,-8.425 ; -32.05,-20.075 -36.6,-20.075 -36.6,-5.425 -37.875,-5.425 ; -32.05,-17.8 -35.575,-17.8 -35.575,-3.475 -37.875,-3.475 ; -32.05,-15.725 -34.675,-15.725 -34.675,-1.5 -37.875,-1.5 ; -26.7,-3.2 -26,-2.5 ; -26,-4.5 -26,-2.5 ; -25.3,-3.2 -26,-2.5
  text "Test Points Placement" at -54.966,14.675 h5
  text "TP_TARGET_RESET" at -26.425,-6.075 h1
  text "TP_TARGET_BOOT" at -33.45,-8.7 h1
  text "TP_GND" at -54.427,-16.175 h1
  text "TP_EDBG_BOOT" at -31.25,-16.175 h1
  text "TP_EDBG_TCK" at -59.377,-18.383 h1
  text "TP_EDBG_RESET" at -31.25,-18.383 h1
  text "TP_EDBG_TDI" at -59.044,-20.592 h1
  text "TP_EDBG_TDO" at -31.25,-20.592 h1
  text "TP_EDBG_TMS" at -59.377,-22.8 h1
  text "TP_VCC_EDBG_P3V3" at -31.25,-22.8 h1
  text "TEST POINTS ON BOTTOM LAYER" at -52.725,-27.9 h1
Dimentions (M6):
  circle w0.254: c-57.65,-57.65 r1.35
  circle w0.254: c-2.35,-57.65 r1.35
  circle w0.254: c-2.35,-2.35 r1.35
  circle w0.254: c-57.65,-2.35 r1.35
  text "Mechanical Dimensions" at -54.966,10.725 h5
Conn. Doc. (M7):
  circle w0.2: c-2.35,-57.65 r1.35
  circle w0.2: c-57.65,-2.35 r1.35
  circle w0.2: c-2.35,-2.35 r1.35
  circle w0.254: c-4.455,-16.03 r0.5
  circle w0.254: c-6.995,-16.03 r0.5
  circle w0.254: c-6.995,-13.49 r0.5
  circle w0.254: c-4.455,-13.49 r0.5
  circle w0.254: c-6.995,-51.59 r0.5
  circle w0.254: c-4.455,-51.59 r0.5
  circle w0.254: c-4.455,-49.05 r0.5
  circle w0.254: c-6.995,-49.05 r0.5
  circle w0.254: c-6.995,-46.51 r0.5
  circle w0.254: c-4.455,-46.51 r0.5
  circle w0.254: c-4.455,-43.97 r0.5
  circle w0.254: c-6.995,-43.97 r0.5
  circle w0.254: c-4.455,-41.43 r0.5
  circle w0.254: c-6.995,-41.43 r0.5
  circle w0.254: c-6.995,-38.89 r0.5
  circle w0.254: c-4.455,-38.89 r0.5
  circle w0.254: c-4.455,-36.35 r0.5
  circle w0.254: c-6.995,-36.35 r0.5
  circle w0.254: c-4.455,-33.81 r0.5
  circle w0.254: c-6.995,-33.81 r0.5
  circle w0.254: c-4.455,-31.27 r0.5
  circle w0.254: c-6.995,-31.27 r0.5
  circle w0.254: c-4.455,-28.73 r0.5
  circle w0.254: c-6.995,-28.73 r0.5
  circle w0.254: c-38.73,-10.945 r0.5
  circle w0.254: c-41.27,-10.945 r0.5
  circle w0.254: c-41.43,-55.57 r0.5
  circle w0.254: c-41.43,-53.03 r0.5
  circle w0.254: c-18.57,-53.03 r0.5
  circle w0.254: c-18.57,-55.57 r0.5
  circle w0.254: c-21.11,-53.03 r0.5
  circle w0.254: c-21.11,-55.57 r0.5
  circle w0.254: c-23.65,-53.03 r0.5
  circle w0.254: c-23.65,-55.57 r0.5
  circle w0.254: c-26.19,-53.03 r0.5
  circle w0.254: c-26.19,-55.57 r0.5
  circle w0.254: c-28.73,-55.57 r0.5
  circle w0.254: c-28.73,-53.03 r0.5
  circle w0.254: c-31.27,-53.03 r0.5
  circle w0.254: c-31.27,-55.57 r0.5
  circle w0.254: c-33.81,-53.03 r0.5
  circle w0.254: c-33.81,-55.57 r0.5
  circle w0.254: c-36.35,-55.57 r0.5
  circle w0.254: c-36.35,-53.03 r0.5
  circle w0.254: c-38.89,-53.03 r0.5
  circle w0.254: c-38.89,-55.57 r0.5
  circle w0.254: c-3.16,-21.74 r0.325
  circle w0.254: c-3.16,-23.01 r0.325
  circle w0.254: c-4.43,-23.01 r0.325
  circle w0.254: c-4.43,-21.74 r0.325
  circle w0.254: c-5.7,-21.74 r0.325
  circle w0.254: c-5.7,-23.01 r0.325
  circle w0.254: c-6.97,-23.01 r0.325
  circle w0.254: c-6.97,-21.74 r0.325
  circle w0.254: c-8.24,-21.74 r0.325
  circle w0.254: c-8.24,-23.01 r0.325
  circle w0.2: c-57.65,-57.65 r1.35
  circle w0.254: c-36.696,-19.84 r0.5
  circle w0.254: c-36.696,-17.3 r0.5
  circle w0.254: c-36.696,-14.76 r0.5
  circle w0.254: c-41.776,-14.76 r0.5
  circle w0.254: c-41.776,-17.3 r0.5
  circle w0.254: c-41.776,-19.84 r0.5
  region: -10.709,-0.725 -13.009,-0.725 -13.009,-2.625 -10.709,-2.625
  region: -13.559,-0.725 -15.334,-0.725 -15.334,-2.625 -13.559,-2.625
  rectangle: -17.641,-2.625 -15.866,-0.725
  rectangle: -20.491,-2.625 -18.191,-0.725
  rectangle: -14.516,-5.225 -14.091,-3.825
  rectangle: -15.166,-5.225 -14.741,-3.825
  rectangle: -15.816,-5.225 -15.391,-3.825
  rectangle: -16.466,-5.225 -16.041,-3.825
  rectangle: -17.116,-5.225 -16.691,-3.825
  lines w0.1: -30.5,-54.3 -29.5,-54.3 ; -30,-54.792 -30,-53.792 ; -19.1,-0.353 -12.082,-0.353 ; -6.233,-40.16 -5.233,-40.16 ; -6.233,-14.76 -5.233,-14.76 ; -5.725,-40.66 -5.725,-39.66 ; -5.725,-15.26 -5.725,-14.26 ; -60,-60 -60,-0.001 -21.375,-0.001 ccw(c-20.6,0.686) -20.6,-0.35 -10.6,-0.35 ccw(c-10.6,0.686) -9.825,-0.001 0,0 0,-60 -60,-60
  lines w0.15: -42.645,-12.25 -42.645,-0.35 -37.345,-0.35 -37.345,-12.325 -42.57,-12.325 ; -43.256,-21.11 -40.821,-21.11 -40.296,-20.585 -40.296,-13.49 -43.256,-13.49 -43.256,-21.11 ; -38.176,-21.11 -38.176,-13.49 -35.216,-13.49 -35.216,-20.585 -35.741,-21.11 -38.176,-21.11
  lines w0.2: -46.955,-18.68 -45.275,-18.68 ; -46.955,-15.86 -45.275,-15.86 ; -43.95,-19.81 -45.275,-19.81 -45.275,-17.55 -43.95,-17.55 ; -43.95,-16.99 -45.275,-16.99 -45.275,-14.73 -43.95,-14.73 ; -34.675,-19.785 -33.35,-19.785 -33.35,-17.525 -34.675,-17.525 ; -34.675,-16.965 -33.35,-16.965 -33.35,-14.705 -34.675,-14.705 ; -33.35,-18.605 -31.67,-18.605 ; -33.35,-15.835 -31.67,-15.835
  text "DEBUG USB" at -19.95,-6.95 h1
  text "1" at -41.437,-9.569 h1
  text "2" at -39.063,-9.569 h1
  text "MCU Power" at -35.625,-10.586 h1 r90
  text "1" at -7.162,-12.05 h1
  text "2" at -4.788,-12.05 h1
  text "MEASURE" at -31.15,-16.2 h1.5
  text "MEASURE" at -54.024,-16.323 h1.5
  text "Power Header" at -1.563,-16.403 h1 r90
  text "BYPASS" at -31.075,-19.025 h1.5
  text "BYPASS" at -52.755,-19.144 h1.5
  text "TINY817" at -17.865,-21.873 h1
  text "I/O" at -36.5,-23.25 h1.5 r90
  text "UPDI Debug" at -19.448,-23.685 h1
  text "MCU" at -41.625,-24.4 h1.5 r90
  text "CURRENT" at -42.717,-26.225 h1.5
  text "1" at -7.162,-27.29 h1
  text "2" at -4.788,-27.29 h1
  text "MEASUREMENT" at -44.599,-27.425 h1.5
  text "Extension Header 1" at -1.687,-48.657 h1 r90
  text "1" at -16.768,-53.53 h1
  text "2" at -16.768,-56.07 h1
  text "Extension Header 3" at -38.664,-58.875 h1
Test Jig (M9):
  circle w0.5: c-57.65,-2.35 r1.5
  circle w0.5: c-57.65,-97.65 r1.5
  circle w0.5: c-2.35,-2.35 r1.5
  circle w0.5: c-2.35,-97.65 r1.5
  circle w0.5: c-31.65,44 r1.25
  circle w0.5: c-0.4,44 r1.25
  circle w0.5: c-64.4,44 r1.25
  region: -130.651,-37.181 -130.65,-37.181 -130.651,-37.181
  lines w0.5: -113.65,-62.5 -130.65,-62.5 cw(c-130.65,-61) -132.15,-61 -132.15,-39 cw(c-130.65,-39) -130.65,-37.5 -113.65,-37.5 ; -2.15,-62.5 ccw(c-3.65,-62.5) -3.65,-61 -22.15,-61 -22.15,-55 -3.65,-55 ccw(c-3.65,-53.5) -2.15,-53.5 ; -2.15,-61 ccw(c-0.65,-61) -0.65,-62.5 15.35,-62.5 ccw(c15.35,-61) 16.85,-61 16.85,-39 ccw(c15.35,-39) 15.35,-37.5 -2.15,-37.5 ; -0.15,-6.5 cw(c-0.15,-8) 1.35,-8 1.35,-18 cw(c-0.15,-18) -0.15,-19.5 -2.15,-19.5 -2.15,-92.5 cw(c-3.65,-92.5) -3.65,-94 -10.15,-94 -10.15,-97 cw(c-11.65,-97) -11.65,-98.5 -48.65,-98.5 cw(c-48.65,-97) -50.15,-97 -50.15,-94 -65.15,-94 -65.15,-97 cw(c-66.65,-97) -66.65,-98.5 -103.65,-98.5 cw(c-103.65,-97) -105.15,-97 -105.15,-94 -112.15,-94 cw(c-112.15,-92.5) -113.65,-92.5 -113.65,-8 cw(c-112.15,-8) -112.15,-6.5 -106.65,-6.5 ccw(c-106.65,-5) -105.15,-5 -105.15,-2 cw(c-103.65,-2) -103.65,-0.5 -66.65,-0.5 cw(c-66.65,-2) -65.15,-2 -65.15,-6.5 -50.15,-6.5 -50.15,-2 cw(c-48.65,-2) -48.65,-0.5 -11.65,-0.5 cw(c-11.65,-2) -10.15,-2 -10.15,-5 ccw(c-8.65,-5) -8.65,-6.5 -0.144,-6.5 ; -147.15,-114.318 -147.15,46.318 -143.968,49.5 28.668,49.5 31.85,46.318 31.85,-114.318 28.668,-117.5 -143.968,-117.5 -147.15,-114.318 ; -71.15,3.5 cw(c-71.15,5) -71.15,6.5 -71.15,35.5 cw(c-71.15,37) -71.15,38.5 6.35,38.5 cw(c6.35,37) 6.35,35.5 6.35,6.5 cw(c6.35,5) 6.35,3.5 -71.15,3.5
Test Jig Pin (M10):
  circle w0.5: c-2.35,-97.65 r2.5
  circle w0.5: c-57.65,-97.65 r2.5
  circle w0.5: c-57.65,-2.35 r2.5
  circle w0.5: c-2.35,-2.35 r1.5
  circle w0.5: c-57.65,-2.35 r1.5
  circle w0.5: c-57.65,-97.65 r1.5
  circle w0.5: c-2.35,-2.35 r2.5
  circle w0.5: c-2.35,-97.65 r1.5
Title Top (M16):
  lines w0.127: -219,-126.915 -213.92,-126.915 ; -219,-56.255 -213.92,-56.255 ; -219,14.23 -213.92,14.23 ; -169.724,-197.4 -169.724,-192.32 ; -169.724,79.46 -169.724,84.54 ; -120.5,-197.4 -120.5,-192.32 ; -120.5,79.46 -120.5,84.54 ; -71.349,-197.4 -71.349,-192.32 ; -71.349,79.46 -71.349,84.54 ; -22.15,-197.4 -22.15,-192.32 ; -22.15,79.46 -22.15,84.54 ; 27.126,-197.4 27.126,-192.32 ; 27.126,79.46 27.126,84.54 ; 55.32,-184.7 169.62,-184.7 ; 55.32,-177.08 169.62,-177.08 ; 55.32,-169.46 93.42,-169.46 ; 76.198,-197.4 76.198,-192.32 ; 76.198,79.46 76.198,84.54 ; 93.42,-192.32 93.42,-177.08 93.42,-161.84 ; 125.424,-197.4 125.424,-192.32 ; 125.424,79.46 125.424,84.54 ; 146.76,-192.32 146.76,-177.08 ; 169.62,-126.915 174.7,-126.915 ; 169.62,-56.3 174.7,-56.3 ; 169.62,14.23 174.7,14.23 ; 55.32,-192.32 19.76,-192.32 19.76,-161.84 55.32,-161.84 ; 55.32,-192.32 169.62,-192.32 ; 55.32,-192.32 55.32,-161.84 ; 55.32,-161.84 93.42,-161.84 ; 93.42,-161.84 169.62,-161.84 169.62,-192.32 ; 169.62,-192.32 -213.92,-192.32 -213.92,79.46 169.62,79.46 169.62,-192.32 ; -219,-197.4 -219,84.54 174.7,84.54 174.7,-197.4 -219,-197.4
  text "1" at -194.082,81.664 h0.67
  text "2" at -145.204,81.664 h0.67
  text "3" at -95.674,81.664 h0.67
  text "4" at -46.668,81.664 h0.67
  text "5" at 2.04,81.664 h0.67
  text "6" at 51.062,81.664 h0.67
  text "7" at 100.592,81.664 h0.67
  text "8" at 149.478,81.664 h0.67
  text "A" at -216.716,47.301 h0.67
  text "A" at 171.904,47.301 h0.67
  text "B" at -216.684,-20.799 h0.67
  text "B" at 171.936,-20.799 h0.67
  text "C" at -216.7,-91.488 h0.67
  text "C" at 171.92,-91.488 h0.67
  text "D" at -216.684,-164.202 h0.67
  text "D" at 171.936,-164.202 h0.67
  text "ENGINEER:" at 56.59,-164.38 h0.67
  text "TITLE:" at 94.69,-164.38 h0.67
  text "PCB DESIGNER:" at 56.59,-171.873 h0.67
  text "B" at 20.75,-177 h22
  text "DATE:" at 56.59,-179.62 h0.67
  text "PART NO.:" at 94.69,-179.62 h0.67
  text "REV:" at 148.03,-179.62 h0.67
  text ".PRINT_DATE" at 56.7,-183.5 h0.67
  text "ATMEL NORWAY" at 24,-184.4 h0.67
  text "Vestre Rosten 79" at 23.97,-186.478 h0.67
  text "FILE NAME:" at 56.59,-187.24 h0.67
  text "DWG NO:" at 94.69,-187.24 h0.67
  text "SCALE:" at 148.03,-187.24 h0.67
  text "N-7075 Tiller" at 23.97,-189.78 h0.67
  text ".PCB_FILE_NAME_NO_PATH" at 57.86,-190.288 h0.67
  text "1" at -194.082,-195.196 h0.67
  text "2" at -145.204,-195.196 h0.67
  text "3" at -95.674,-195.196 h0.67
  text "4" at -46.652,-195.196 h0.67
  text "5" at 2.04,-195.196 h0.67
  text "6" at 51.062,-195.196 h0.67
  text "7" at 100.592,-195.196 h0.67
  text "8" at 149.478,-195.196 h0.67
Title Bot (M17):
  lines w0.127: -219,-126.915 -213.92,-126.915 ; -219,-56.3 -213.92,-56.3 ; -219,14.23 -213.92,14.23 ; -213.92,-184.7 -99.62,-184.7 ; -213.92,-177.08 -99.62,-177.08 ; -191.06,-192.32 -191.06,-177.08 ; -169.724,-197.4 -169.724,-192.32 ; -169.724,79.46 -169.724,84.54 ; -137.72,-192.32 -137.72,-177.08 -137.72,-161.84 ; -137.72,-169.46 -99.62,-169.46 ; -120.498,-197.4 -120.498,-192.32 ; -120.498,79.46 -120.498,84.54 ; -71.349,-197.4 -71.349,-192.32 ; -71.349,79.46 -71.349,84.54 ; -22.15,-197.4 -22.15,-192.32 ; -22.15,79.46 -22.15,84.54 ; 27.126,-197.4 27.126,-192.32 ; 27.126,79.46 27.126,84.54 ; 76.2,-197.4 76.2,-192.32 ; 76.2,79.46 76.2,84.54 ; 125.424,-197.4 125.424,-192.32 ; 125.424,79.46 125.424,84.54 ; 169.62,-126.915 174.7,-126.915 ; 169.62,-56.255 174.7,-56.255 ; 169.62,14.23 174.7,14.23 ; -213.92,-192.32 169.62,-192.32 169.62,79.46 -213.92,79.46 -213.92,-192.32 ; -213.92,-192.32 -99.62,-192.32 ; -213.92,-192.32 -213.92,-161.84 -137.72,-161.84 ; -137.72,-161.84 -99.62,-161.84 ; -99.62,-192.32 -64.06,-192.32 -64.06,-161.84 -99.62,-161.84 ; -99.62,-192.32 -99.62,-161.84 ; -219,-197.4 174.7,-197.4 174.7,84.54 -219,84.54 -219,-197.4
  text "8" at -193.778,81.664 h0.67
  text "7" at -144.756,81.664 h0.67
  text "6" at -95.226,81.664 h0.67
  text "5" at -46.204,81.664 h0.67
  text "4" at 2.504,81.664 h0.67
  text "3" at 51.51,81.664 h0.67
  text "2" at 101.04,81.664 h0.67
  text "1" at 149.782,81.664 h0.67
  text "A" at -216.204,47.301 h0.67
  text "A" at 172.416,47.301 h0.67
  text "B" at -216.236,-20.799 h0.67
  text "B" at 172.384,-20.799 h0.67
  text "C" at -216.22,-91.488 h0.67
  text "C" at 172.4,-91.488 h0.67
  text "D" at -216.236,-164.202 h0.67
  text "D" at 172.384,-164.202 h0.67
  text "TITLE:" at -138.99,-164.38 h0.67
  text "ENGINEER:" at -100.89,-164.38 h0.67
  text "PCB DESIGNER:" at -100.89,-171.873 h0.67
  text "B" at -65.05,-177 h22
  text "REV:" at -192.33,-179.62 h0.67
  text "PART NO.:" at -138.99,-179.62 h0.67
  text "DATE:" at -100.89,-179.62 h0.67
  text ".PRINT_DATE" at -101,-183.5 h0.67
  text "ATMEL NORWAY" at -68.3,-184.4 h0.67
  text "Vestre Rosten 79" at -68.27,-186.478 h0.67
  text "SCALE:" at -192.33,-187.24 h0.67
  text "DWG NO:" at -138.99,-187.24 h0.67
  text "FILE NAME:" at -100.89,-187.24 h0.67
  text "N-7075 Tiller" at -68.27,-189.78 h0.67
  text ".PCB_FILE_NAME_NO_PATH" at -102.16,-190.288 h0.67
  text "8" at -193.778,-195.196 h0.67
  text "7" at -144.756,-195.196 h0.67
  text "6" at -95.226,-195.196 h0.67
  text "5" at -46.204,-195.196 h0.67
  text "4" at 2.488,-195.196 h0.67
  text "3" at 51.51,-195.196 h0.67
  text "2" at 101.04,-195.196 h0.67
  text "1" at 149.782,-195.196 h0.67

## Dimensions
0,0 to -15.6,-1.425 on Conn. Pos (M4)
-11.512,-1.675 to 0,-60 on Conn. Pos (M4)
-5.208,-40.16 to 0,-60 on Conn. Pos (M4)
-5.208,-14.76 to 0.254,-60 on Conn. Pos (M4)
-29.5,-54.3 to 0,-60 on Conn. Pos (M4)
-30,-54.792 to 0,-60 on Conn. Pos (M4)
0,0 to 0,-60 on Dimentions (M6)
-57.65,-2.35 to -62.775,1.6 on Dimentions (M6)
-59,-57.65 to -60,-60 on Dimentions (M6)
-60,-60 to -57.65,-59 on Dimentions (M6)
-9.825,-0.001 to 0,0 on Dimentions (M6)
-21.375,-0.001 to 0,0 on Dimentions (M6)
0,-60 to -60,-60 on Dimentions (M6)
-41.85,-5.5 to -41.85,-7.5 on TP Pos. (M5)
-25.75,-1.5 to 0,0 on TP Pos. (M5)
0,0 to -41.6,-1.25 on TP Pos. (M5)
0,0 to -38.6,-1.25 on TP Pos. (M5)
0,0 to -33,-1.25 on TP Pos. (M5)
0,0 to -26,-1.25 on TP Pos. (M5)

## Text inside footprints (layer, text, board x,y; h text height)
LABEL1: Bottom Overlay "PCBA LABEL" at -17.459,-44.742 h1.52